# KiCad board leafony-ap03-stm32.kicad_pcb (continued)
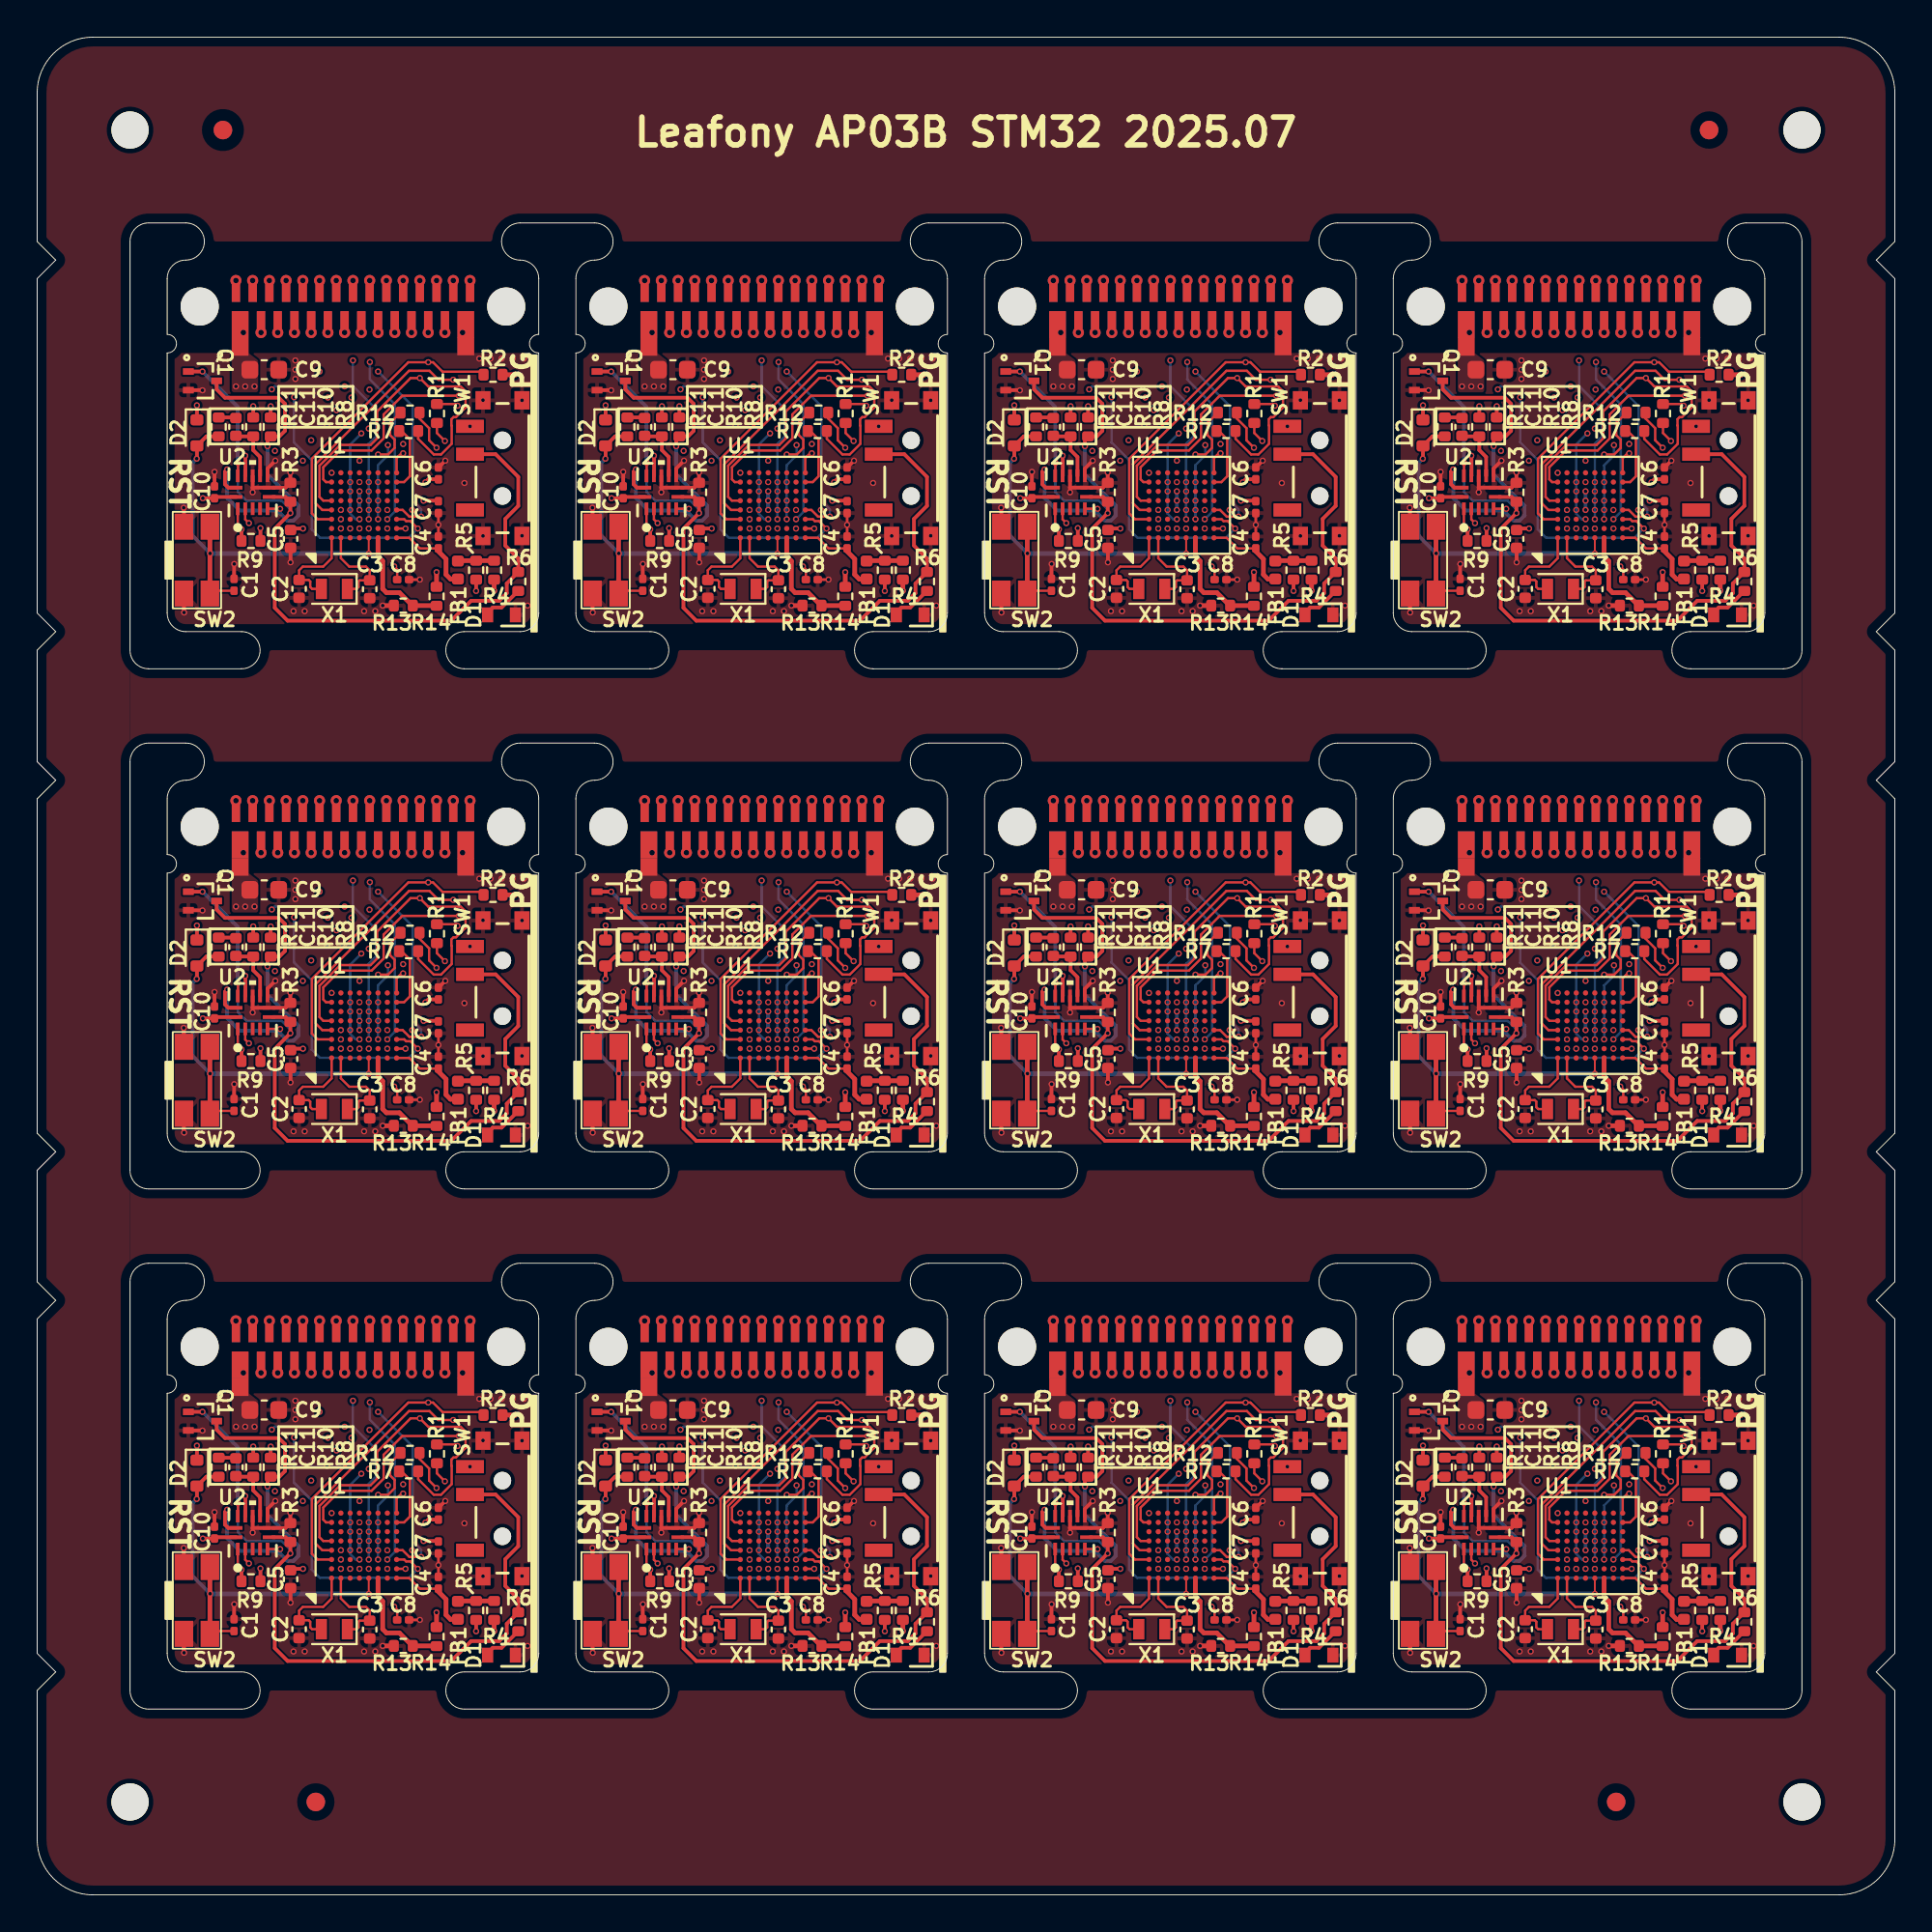
[diagram p0: board, top side]
## Via types
v1: diameter 0.5, hole 0.3, Top to Bottom, 348 vias
v2: diameter 0.33, hole 0.2, Top to Bottom, 1296 vias
v3: diameter 0.33, hole 0.2, Top to In1.Cu, 84 vias
v4: diameter 0.33, hole 0.2, Top to In2.Cu, 24 vias
v5: diameter 0.33, hole 0.2, Top to In3.Cu, 36 vias

## Routing (per net, layer and track width the routed paths; a pad name or vN(x,y) marks a point on that pad's centre or on a via; arc(x,y) is an arc through that point)
+3V3: length 258.5
  Top w0.127: v2(63.22,71.51) 63.38,71.35 C8#10.1 ; v2(41.22,71.51) 41.38,71.35 C8#2.1 ; C8#7.1 41.38,43.35 v2(41.22,43.51) ; C8#8.1 63.38,43.35 v2(63.22,43.51) ; R1#6.1 88.54,80.25 v2(88.63,80.16) ; R1.1 66.54,24.25 v2(66.63,24.16) ; v2(22.63,52.16) 22.54,52.25 R1#12.1 ; C8#9.1 85.38,15.35 v2(85.22,15.51) ; v2(44.63,80.16) 44.54,80.25 R1#2.1 ; C8#12.1 41.38,15.35 v2(41.22,15.51) ; R1#5.1 44.54,24.25 v2(44.63,24.16) ; C8#4.1 85.38,71.35 v2(85.22,71.51) ; v2(66.63,52.16) 66.54,52.25 R1#10.1 ; v2(44.63,52.16) 44.54,52.25 R1#8.1 ; R1#11.1 22.54,24.25 v2(22.63,24.16) ; C8#11.1 19.38,43.35 v2(19.22,43.51) ; R1#4.1 22.54,80.25 v2(22.63,80.16) ; R1#9.1 88.54,52.25 v2(88.63,52.16) ; v2(88.63,24.16) 88.54,24.25 R1#3.1 ; C8#3.1 19.38,15.35 v2(19.22,15.51) ; C8.1 63.38,15.35 v2(63.22,15.51) ; v2(19.22,71.51) 19.38,71.35 C8#5.1 ; v2(85.22,43.51) 85.38,43.35 C8#6.1 ; v2(66.63,80.16) 66.54,80.25 R1#7.1
  Top w0.2: v2(86.9,20.04) 87.06,20.2 C6.1 ; R10#2.1 v2(77.63,52.13) ; U2#6.14 31.62,47.25 C10#9.1 v2(30.92,47.18) ; v2(64.8,47.05) 65.47,47.05 ; 89.12,51.23 v2(89.3,51.05) ; v2(64.9,76.04) 65.06,76.2 C6#5.1 ; U2#10.14 75.62,75.25 C10#6.1 v2(74.92,75.18) ; D2#2.1 v2(8.6,80.18) ; v2(30.92,19.18) C10#11.1 31.62,19.25 U2#7.14 ; v2(20.8,19.05) 21.47,19.05 ; v2(58.31,73.55) 57.72,73.55 C5#11.1 ; U2#2.14 75.62,47.25 C10#3.1 v2(74.92,47.18) ; v2(20.9,76.04) 21.06,76.2 C6#4.1 ; v2(86.8,75.05) 87.47,75.05 ; 67.12,23.23 v2(67.3,23.05) ; v2(80.31,17.55) 79.72,17.55 C5.1 ; R10#6.1 v2(11.63,80.13) ; v2(64.9,48.04) 65.06,48.2 C6#9.1 ; v2(14.31,45.55) 13.72,45.55 C5#6.1 ; U2#4.14 53.62,75.25 C10#4.1 v2(52.92,75.18) ; v2(42.8,75.05) 43.47,75.05 ; D2#11.1 v2(52.6,52.18) ; R8#2.1 v2(12.57,80.13) ; v2(52.92,19.18) C10.1 53.62,19.25 U2.14 ; R8#5.1 v2(12.57,52.13) ; R8#7.1 v2(78.57,24.13) ; v2(36.31,45.55) 35.72,45.55 C5#7.1 ; v2(64.8,75.05) 65.47,75.05 ; 23.12,79.23 v2(23.3,79.05) ; v2(8.92,19.18) C10#7.1 9.62,19.25 U2#9.14 ; 23.12,51.23 v2(23.3,51.05) ; C6#11.1 21.06,20.2 v2(20.9,20.04) ; 89.12,79.23 v2(89.3,79.05) ; R8.1 v2(34.57,52.13) ; R10#7.1 v2(55.63,80.13) ; R8#6.1 v2(34.57,24.13) ; C5#3.1 35.72,17.55 v2(36.31,17.55) ; R8#10.1 v2(34.57,80.13) ; 45.12,79.23 v2(45.3,79.05) ; D2#3.1 v2(30.6,52.18) ; R8#4.1 v2(78.57,52.13) ; R10#8.1 v2(77.63,24.13) ; v2(8.92,47.18) C10#2.1 9.62,47.25 U2#12.14 ; R10#4.1 v2(77.63,80.13) ; R8#3.1 v2(78.57,80.13) ; v2(36.31,73.55) 35.72,73.55 C5#5.1 ; D2#6.1 v2(52.6,24.18) ; v2(42.9,76.04) 43.06,76.2 C6#8.1 ; C5#12.1 57.72,45.55 v2(58.31,45.55) ; R10.1 v2(11.63,52.13) ; v2(14.31,73.55) 13.72,73.55 C5#8.1 ; D2#4.1 v2(74.6,52.18) ; v2(30.92,75.18) C10#5.1 31.62,75.25 U2#3.14 ; v2(74.92,19.18) C10#12.1 75.62,19.25 U2#8.14 ; R8#9.1 v2(56.57,24.13) ; R10#3.1 v2(33.63,80.13) ; v2(64.9,20.04) 65.06,20.2 C6#6.1 ; U2#5.14 53.62,47.25 C10#8.1 v2(52.92,47.18) ; v2(80.31,73.55) 79.72,73.55 C5#9.1 ; v2(86.9,76.04) 87.06,76.2 C6#10.1 ; R10#9.1 v2(55.63,24.13) ; D2#5.1 v2(74.6,80.18) ; v2(86.8,19.05) 87.47,19.05 ; 23.12,23.23 v2(23.3,23.05) ; R10#12.1 v2(11.63,24.13) ; C6#3.1 21.06,48.2 v2(20.9,48.04) ; D2.1 v2(30.6,80.18) ; R10#10.1 v2(55.63,52.13) ; D2#8.1 v2(30.6,24.18) ; v2(86.9,48.04) 87.06,48.2 C6#2.1 ; v2(80.31,45.55) 79.72,45.55 C5#10.1 ; v2(42.8,19.05) 43.47,19.05 ; R8#8.1 v2(56.57,52.13) ; R8#12.1 v2(12.57,24.13) ; v2(8.92,75.18) C10#10.1 9.62,75.25 U2#11.14 ; 67.12,79.23 v2(67.3,79.05) ; v2(86.8,47.05) 87.47,47.05 ; v2(64.8,19.05) 65.47,19.05 ; D2#9.1 v2(8.6,52.18) ; 89.12,23.23 v2(89.3,23.05) ; v2(20.8,75.05) 21.47,75.05 ; v2(58.31,17.55) 57.72,17.55 C5#4.1 ; C5#2.1 13.72,17.55 v2(14.31,17.55) ; D2#12.1 v2(52.6,80.18) ; 67.12,51.23 v2(67.3,51.05) ; v2(42.9,20.04) 43.06,20.2 C6#12.1 ; R10#5.1 v2(33.63,52.13) ; v2(42.9,48.04) 43.06,48.2 C6#7.1 ; D2#10.1 v2(74.6,24.18) ; v2(42.8,47.05) 43.47,47.05 ; D2#7.1 v2(8.6,24.18) ; R8#11.1 v2(56.57,80.13) ; v2(20.8,47.05) 21.47,47.05 ; 45.12,51.23 v2(45.3,51.05) ; 45.12,23.23 v2(45.3,23.05) ; R10#11.1 v2(33.63,24.13)
  Top w0.254: R4#7.2 v2(68.6,14.2) ; R2#6.1 v2(47.7,81.83) ; R2#8.1 v2(69.7,53.83) ; R4#8.2 v2(90.6,14.2) ; R4#10.2 v2(68.6,70.2) ; R4.2 v2(24.6,70.2) ; R4#2.2 v2(24.6,14.2) ; R4#3.2 v2(90.6,70.2) ; R4#6.2 v2(46.6,42.2) ; R2#5.1 v2(25.7,53.83) ; R4#11.2 v2(24.6,42.2) ; R2#11.1 v2(69.7,25.83) ; R2#4.1 v2(25.7,25.83) ; R4#4.2 v2(46.6,70.2) ; R4#5.2 v2(68.6,42.2) ; R2#9.1 v2(91.7,81.83) ; R4#9.2 v2(90.6,42.2) ; R2.1 v2(25.7,81.83) ; R2#3.1 v2(91.7,25.83) ; R2#7.1 v2(47.7,25.83) ; R2#2.1 v2(47.7,53.83) ; R2#12.1 v2(69.7,81.83) ; R2#10.1 v2(91.7,53.83) ; R4#12.2 v2(46.6,14.2)
  In3.Cu w0.254: v5(61.85,47.55) 63.72,47.55 64.21,48.04 v2(64.9,48.04) ; v2(86.8,47.05) v5(83.85,47.05) v5(83.85,46.55) ; v2(42.9,48.04) 42.21,48.04 41.72,47.55 v5(39.85,47.55) ; v2(19.22,15.51) 19.22,16.53 18.67,17.08 17.62,17.08 17.35,17.35 v2(17.35,17.55) ; v5(17.85,47.55) 19.72,47.55 20.21,48.04 v2(20.9,48.04) ; v2(38.35,17.55) v2(36.31,17.55) ; v2(64.8,47.05) v5(61.85,47.05) v5(61.85,46.55) ; v5(17.85,75.55) 19.72,75.55 20.21,76.04 v2(20.9,76.04) ; v2(63.22,43.51) 63.22,44.53 62.67,45.08 61.62,45.08 61.35,45.35 v2(61.35,45.55) ; v2(82.35,17.55) v2(80.31,17.55) ; v2(19.22,43.51) 19.22,44.53 18.67,45.08 17.62,45.08 17.35,45.35 v2(17.35,45.55) ; v2(60.35,45.55) v2(58.31,45.55) ; v2(39.35,73.55) 39.35,73.35 39.62,73.08 40.67,73.08 41.22,72.53 v2(41.22,71.51) ; v2(60.35,17.55) v2(58.31,17.55) ; v2(16.35,17.55) v2(14.31,17.55) ; v2(60.35,73.55) v2(58.31,73.55) ; v2(39.35,17.55) 39.35,17.35 39.62,17.08 40.67,17.08 41.22,16.53 v2(41.22,15.51) ; v2(20.8,75.05) v5(17.85,75.05) v5(17.85,74.55) ; v2(20.8,47.05) v5(17.85,47.05) v5(17.85,46.55) ; v5(39.85,19.55) 41.72,19.55 42.21,20.04 v2(42.9,20.04) ; v2(85.22,71.51) 85.22,72.53 84.67,73.08 83.62,73.08 83.35,73.35 v2(83.35,73.55) ; v2(64.9,76.04) 64.21,76.04 63.72,75.55 v5(61.85,75.55) ; v5(61.85,74.55) v5(61.85,75.05) v2(64.8,75.05) ; v5(39.85,75.55) 41.72,75.55 42.21,76.04 v2(42.9,76.04) ; v2(17.35,73.55) 17.35,73.35 17.62,73.08 18.67,73.08 19.22,72.53 v2(19.22,71.51) ; v2(38.35,73.55) v2(36.31,73.55) ; v2(63.22,15.51) 63.22,16.53 62.67,17.08 61.62,17.08 61.35,17.35 v2(61.35,17.55) ; v5(83.85,74.55) v5(83.85,75.05) v2(86.8,75.05) ; v2(86.8,19.05) v5(83.85,19.05) v5(83.85,18.55) ; v2(83.35,17.55) 83.35,17.35 83.62,17.08 84.67,17.08 85.22,16.53 v2(85.22,15.51) ; v2(61.35,73.55) 61.35,73.35 61.62,73.08 62.67,73.08 63.22,72.53 v2(63.22,71.51) ; v2(86.9,48.04) 86.21,48.04 85.72,47.55 v5(83.85,47.55) ; v5(39.85,74.55) v5(39.85,75.05) v2(42.8,75.05) ; v2(42.8,19.05) v5(39.85,19.05) v5(39.85,18.55) ; v5(17.85,19.55) 19.72,19.55 20.21,20.04 v2(20.9,20.04) ; v2(83.35,45.55) 83.35,45.35 83.62,45.08 84.67,45.08 85.22,44.53 v2(85.22,43.51) ; v2(64.8,19.05) v5(61.85,19.05) v5(61.85,18.55) ; v2(38.35,45.55) v2(36.31,45.55) ; v5(61.85,19.55) 63.72,19.55 64.21,20.04 v2(64.9,20.04) ; v2(16.35,73.55) v2(14.31,73.55) ; v2(82.35,45.55) v2(80.31,45.55) ; v2(20.8,19.05) v5(17.85,19.05) v5(17.85,18.55) ; v2(41.22,43.51) 41.22,44.53 40.67,45.08 39.62,45.08 39.35,45.35 v2(39.35,45.55) ; v2(86.9,76.04) 86.21,76.04 85.72,75.55 v5(83.85,75.55) ; v5(83.85,19.55) 85.72,19.55 86.21,20.04 v2(86.9,20.04) ; v2(42.8,47.05) v5(39.85,47.05) v5(39.85,46.55) ; v2(16.35,45.55) v2(14.31,45.55) ; v2(82.35,73.55) v2(80.31,73.55)
  vias: v1(11.1,84.1) v1(11.1,56.1) v1(11.1,28.1) v1(33.1,84.1) v1(33.1,56.1) v1(33.1,28.1) v1(55.1,84.1) v1(55.1,56.1) v1(55.1,28.1) v1(77.1,84.1) v1(77.1,56.1) v1(77.1,28.1) v2(10.7,81.2) v2(10.7,53.2) v2(10.7,25.2) v2(11.2,81.2) v2(11.2,53.2) v2(11.2,25.2) v2(11.7,81.2) v2(11.7,53.2) v2(11.7,25.2) v2(32.7,81.2) v2(32.7,53.2) v2(32.7,25.2) v2(33.2,81.2) v2(33.2,53.2) v2(33.2,25.2) v2(33.7,81.2) v2(33.7,53.2) v2(33.7,25.2) v2(54.7,81.2) v2(54.7,53.2) v2(54.7,25.2) v2(55.2,81.2) v2(55.2,53.2) v2(55.2,25.2) v2(55.7,81.2) v2(55.7,53.2) v2(55.7,25.2) v2(76.7,81.2) v2(76.7,53.2) v2(76.7,25.2) v2(77.2,81.2) v2(77.2,53.2) v2(77.2,25.2) v2(77.7,81.2) v2(77.7,53.2) v2(77.7,25.2)
GND: length 154.4
  Top w0.127: 65.6,46.22 v2(65.6,45.75) 65.6,45.28 ; 43.6,46.22 v2(43.6,45.75) 43.6,45.28 ; C8#11.2 v2(20.6,42.8) ; 87.6,45.28 v2(87.6,45.75) 87.6,46.22 ; 21.6,18.22 v2(21.6,17.75) 21.6,17.28 ; 43.6,18.22 v2(43.6,17.75) 43.6,17.28 ; C8#3.2 v2(20.6,14.8) ; C8#9.2 v2(86.6,14.8) ; 21.6,74.22 v2(21.6,73.75) 21.6,73.28 ; 65.6,18.22 v2(65.6,17.75) 65.6,17.28 ; C8#6.2 v2(86.6,42.8) ; C8#12.2 v2(42.6,14.8) ; C8#8.2 v2(64.6,42.8) ; 87.6,73.28 v2(87.6,73.75) 87.6,74.22 ; C8.2 v2(64.6,14.8) ; 87.6,18.22 v2(87.6,17.75) 87.6,17.28 ; C8#4.2 v2(86.6,70.8) ; 21.6,46.22 v2(21.6,45.75) 21.6,45.28 ; 65.6,73.28 v2(65.6,73.75) 65.6,74.22 ; C8#10.2 v2(64.6,70.8) ; C8#2.2 v2(42.6,70.8) ; 43.6,74.22 v2(43.6,73.75) 43.6,73.28 ; C8#7.2 v2(42.6,42.8) ; C8#5.2 v2(20.6,70.8)
  Top w0.2: SW2#4.2 73.9,18.66 v2(73.89,18.67) ; C6#3.2 21.61,48.84 v2(21.97,49.2) ; 54.6,71 54.6,71.63 v2(54.61,71.64) ; SW2#12.2 29.9,18.66 v2(29.89,18.67) ; C6#5.2 65.61,76.84 v2(65.97,77.2) ; v2(87.97,21.2) 87.61,20.84 C6.2 ; v2(57.63,48.57) R3#5.2 57.37,47.75 56.68,47.75 ; U2#11.7 11.6,75.75 ; 11.6,75.75 v2(11.6,75.5) ; 11.6,75.75 U2#11.10 ; 55.6,19.75 v2(55.6,19.5) ; 55.6,19.75 U2.10 ; 55.6,19.75 U2.7 ; v2(13.63,76.57) R3#4.2 13.37,75.75 12.68,75.75 ; SW2#4.3 73.9,13.04 v2(73.91,13.03) ; 33.6,19.75 v2(33.6,19.5) ; 33.6,19.75 U2#7.10 ; 33.6,19.75 U2#7.7 ; U2#6.7 33.6,47.75 ; 33.6,47.75 v2(33.6,47.5) ; 33.6,47.75 U2#6.10 ; U2#4.7 55.6,75.75 ; 55.6,75.75 v2(55.6,75.5) ; 55.6,75.75 U2#4.10 ; 77.6,47.75 v2(77.6,47.5) ; 77.6,47.75 U2#2.7 ; 77.6,47.75 U2#2.10 ; v2(56.82,21.2) 56.4,20.78 U2.8 ; C5#6.2 v2(13.64,43.73) ; 9.55,19.98 v2(9.55,20.6) ; v2(7.91,69.03) 7.9,69.04 SW2#10.3 ; v2(52.9,24.99) 52.89,25 Q1#5.2 ; v2(10.61,43.64) 10.6,43.63 10.6,43 ; v2(10.61,15.64) 10.6,15.63 10.6,15 ; U2#9.7 11.6,19.75 ; 11.6,19.75 v2(11.6,19.5) ; 11.6,19.75 U2#9.10 ; v2(51.91,69.03) 51.9,69.04 SW2#8.3 ; 31.55,75.98 v2(31.55,76.6) ; SW2#7.3 7.9,13.04 v2(7.91,13.03) ; U2#11.8 12.4,76.78 v2(12.82,77.2) ; v2(51.91,41.03) 51.9,41.04 SW2#5.3 ; v2(30.9,52.99) 30.89,53 Q1#10.2 ; 76.6,71 76.6,71.63 v2(76.61,71.64) ; v2(79.63,20.57) R3#12.2 79.37,19.75 78.68,19.75 ; v2(74.9,80.99) 74.89,81 Q1#6.2 ; 32.6,43 32.6,43.63 v2(32.61,43.64) ; v2(73.91,41.03) 73.9,41.04 SW2#9.3 ; SW2#3.3 73.9,69.04 v2(73.91,69.03) ; C6#10.2 87.61,76.84 v2(87.97,77.2) ; U2#12.8 12.4,48.78 v2(12.82,49.2) ; 9.55,47.98 v2(9.55,48.6) ; U2#8.10 77.6,19.75 ; 77.6,19.75 U2#8.7 ; 77.6,19.75 v2(77.6,19.5) ; v2(12.82,21.2) 12.4,20.78 U2#9.8 ; v2(30.9,80.99) 30.89,81 Q1#9.2 ; C5#12.2 v2(57.64,43.73) ; U2#10.10 77.6,75.75 ; 77.6,75.75 U2#10.7 ; 77.6,75.75 v2(77.6,75.5) ; 32.6,15 32.6,15.63 v2(32.61,15.64) ; C6#11.2 21.61,20.84 v2(21.97,21.2) ; C6#4.2 21.61,76.84 v2(21.97,77.2) ; 10.6,71 10.6,71.63 v2(10.61,71.64) ; U2#3.10 33.6,75.75 ; 33.6,75.75 U2#3.7 ; 33.6,75.75 v2(33.6,75.5) ; 76.6,15 76.6,15.63 v2(76.61,15.64) ; v2(29.91,41.03) 29.9,41.04 SW2#2.3 ; Q1#12.2 74.89,53 v2(74.9,52.99) ; v2(52.9,52.99) 52.89,53 Q1.2 ; 32.6,71 32.6,71.63 v2(32.61,71.64) ; SW2#6.3 51.9,13.04 v2(51.91,13.03) ; 31.55,19.98 v2(31.55,20.6) ; 9.55,75.98 v2(9.55,76.6) ; 54.6,15 54.6,15.63 v2(54.61,15.64) ; v2(7.89,18.67) 7.9,18.66 SW2#7.2 ; v2(43.97,49.2) 43.61,48.84 C6#7.2 ; v2(57.63,20.57) R3#8.2 57.37,19.75 56.68,19.75 ; SW2#8.2 51.9,74.66 v2(51.89,74.67) ; 75.55,19.98 v2(75.55,20.6) ; v2(76.61,43.64) 76.6,43.63 76.6,43 ; SW2#6.2 51.9,18.66 v2(51.89,18.67) ; C6#9.2 65.61,48.84 v2(65.97,49.2) ; v2(35.63,48.57) R3#6.2 35.37,47.75 34.68,47.75 ; v2(29.89,74.67) 29.9,74.66 SW2.2 ; 53.55,19.98 v2(53.55,20.6) ; U2#2.8 78.4,48.78 v2(78.82,49.2) ; Q1#3.2 8.89,25 v2(8.9,24.99) ; v2(34.82,21.2) 34.4,20.78 U2#7.8 ; SW2#9.2 73.9,46.66 v2(73.89,46.67) ; SW2.3 29.9,69.04 v2(29.91,69.03) ; v2(34.82,77.2) 34.4,76.78 U2#3.8 ; Q1#11.2 74.89,25 v2(74.9,24.99) ; v2(56.82,77.2) 56.4,76.78 U2#4.8 ; v2(7.89,46.67) 7.9,46.66 SW2#11.2 ; 11.6,47.75 v2(11.6,47.5) ; 11.6,47.75 U2#12.7 ; 11.6,47.75 U2#12.10 ; SW2#10.2 7.9,74.66 v2(7.89,74.67) ; v2(54.61,43.64) 54.6,43.63 54.6,43 ; 56.68,75.75 57.37,75.75 R3.2 v2(57.63,76.57) ; SW2#11.3 7.9,41.04 v2(7.91,41.03) ; v2(35.63,20.57) R3#7.2 35.37,19.75 34.68,19.75 ; v2(8.9,80.99) 8.89,81 Q1#4.2 ; v2(29.91,13.03) 29.9,13.04 SW2#12.3 ; 78.68,47.75 79.37,47.75 R3#11.2 v2(79.63,48.57) ; C5#8.2 v2(13.64,71.73) ; v2(52.9,80.99) 52.89,81 Q1#2.2 ; 55.6,47.75 v2(55.6,47.5) ; 55.6,47.75 U2#5.7 ; 55.6,47.75 U2#5.10 ; C5#7.2 v2(35.64,43.73) ; SW2#2.2 29.9,46.66 v2(29.89,46.67) ; 31.55,47.98 v2(31.55,48.6) ; Q1#8.2 8.89,53 v2(8.9,52.99) ; 75.55,47.98 v2(75.55,48.6) ; 12.68,47.75 13.37,47.75 R3#3.2 v2(13.63,48.57) ; v2(43.97,21.2) 43.61,20.84 C6#12.2 ; C5#4.2 v2(57.64,15.73) ; v2(13.63,20.57) R3#10.2 13.37,19.75 12.68,19.75 ; v2(34.82,49.2) 34.4,48.78 U2#6.8 ; v2(79.63,76.57) R3#2.2 79.37,75.75 78.68,75.75 ; v2(30.9,24.99) 30.89,25 Q1#7.2 ; v2(78.82,77.2) 78.4,76.78 U2#10.8 ; C5#10.2 v2(79.64,43.73) ; v2(51.89,46.67) 51.9,46.66 SW2#5.2 ; v2(73.89,74.67) 73.9,74.66 SW2#3.2 ; 34.68,75.75 35.37,75.75 R3#9.2 v2(35.63,76.57) ; U2#5.8 56.4,48.78 v2(56.82,49.2) ; C5#9.2 v2(79.64,71.73) ; C6#2.2 87.61,48.84 v2(87.97,49.2) ; C5#5.2 v2(35.64,71.73) ; 53.55,47.98 v2(53.55,48.6) ; C6#8.2 43.61,76.84 v2(43.97,77.2) ; C6#6.2 65.61,20.84 v2(65.97,21.2) ; v2(78.82,21.2) 78.4,20.78 U2#8.8 ; C5#3.2 v2(35.64,15.73) ; C5#11.2 v2(57.64,71.73) ; 53.55,75.98 v2(53.55,76.6) ; C5.2 v2(79.64,15.73) ; 75.55,75.98 v2(75.55,76.6) ; C5#2.2 v2(13.64,15.73)
  Top w0.254: R13#5.1 v2(62.6,13.4) ; R13#3.1 v2(40.6,13.4) ; R13#10.1 v2(40.6,41.4) ; R13#2.1 v2(18.6,69.4) ; R13#8.1 v2(84.6,41.4) ; R13#11.1 v2(62.6,41.4) ; R13#9.1 v2(62.6,69.4) ; R13#6.1 v2(18.6,41.4) ; R13#4.1 v2(84.6,69.4) ; R13#12.1 v2(40.6,69.4) ; R13#7.1 v2(84.6,13.4) ; R13.1 v2(18.6,13.4)
  Bottom w0.2: v2(83.35,74.55) v2(83.35,75.55) ; v2(61.35,18.55) v2(61.35,19.55) ; v2(61.35,46.55) v2(61.35,47.55) ; v2(17.35,18.55) v2(17.35,19.55) ; v2(17.35,46.55) v2(17.35,47.55) ; v2(61.35,74.55) v2(61.35,75.55) ; v2(39.35,18.55) v2(39.35,19.55) ; v2(39.35,74.55) v2(39.35,75.55) ; v2(83.35,18.55) v2(83.35,19.55) ; v2(17.35,74.55) v2(17.35,75.55) ; v2(83.35,46.55) v2(83.35,47.55) ; v2(39.35,46.55) v2(39.35,47.55)
  vias: v1(22.9,84.1) v1(22.9,56.1) v1(22.9,28.1) v1(44.9,84.1) v1(44.9,56.1) v1(44.9,28.1) v1(66.9,84.1) v1(66.9,56.1) v1(66.9,28.1) v1(88.9,84.1) v1(88.9,56.1) v1(88.9,28.1) v2(13.8,69.1) v2(13.8,41.1) v2(13.8,13.1) v2(13.9,82.6) v2(13.9,82.1) v2(13.9,81.6) v2(13.9,54.6) v2(13.9,54.1) v2(13.9,53.6) v2(13.9,26.6) v2(13.9,26.1) v2(13.9,25.6) v2(14.4,69.1) v2(14.4,41.1) v2(14.4,13.1) v2(15.6,79.1) v2(15.6,51.1) v2(15.6,23.1) v2(16.85,73.55) v2(16.85,45.55) v2(16.85,17.55) v2(17.35,75.05) v2(17.35,47.05) v2(17.35,19.05) v2(17.6,69.1) v2(17.6,41.1) v2(17.6,13.1) v2(18.2,69.1) v2(18.2,41.1) v2(18.2,13.1) v2(23,76) v2(23,48) v2(23,20) v2(23.8,82.7) v2(23.8,54.7) v2(23.8,26.7) v2(24,80.46) v2(24,73.15) v2(24,52.46) v2(24,45.15) v2(24,24.46) v2(24,17.15) v2(24.4,82.7) v2(24.4,54.7) v2(24.4,26.7) v2(25,82.7) v2(25,54.7) v2(25,26.7) v2(25.6,82.7) v2(25.6,54.7) v2(25.6,26.7) v2(26.1,80.45) v2(26.1,73.16) v2(26.1,52.45) v2(26.1,45.16) v2(26.1,24.45) v2(26.1,17.16) v2(26.2,82.7) v2(26.2,54.7) v2(26.2,26.7) v2(26.4,69.4) v2(26.4,41.4) v2(26.4,13.4) v2(35.8,69.1) v2(35.8,41.1) v2(35.8,13.1) v2(35.9,82.6) v2(35.9,82.1) v2(35.9,81.6) v2(35.9,54.6) v2(35.9,54.1) v2(35.9,53.6) v2(35.9,26.6) v2(35.9,26.1) v2(35.9,25.6) v2(36.4,69.1) v2(36.4,41.1) v2(36.4,13.1) v2(37.6,79.1) v2(37.6,51.1) v2(37.6,23.1) v2(38.85,73.55) v2(38.85,45.55) v2(38.85,17.55) v2(39.35,75.05) v2(39.35,47.05) v2(39.35,19.05) v2(39.6,69.1) v2(39.6,41.1) v2(39.6,13.1) v2(40.2,69.1) v2(40.2,41.1) v2(40.2,13.1) v2(45,76) v2(45,48) v2(45,20) v2(45.8,82.7) v2(45.8,54.7) v2(45.8,26.7) v2(46,80.46) v2(46,73.15) v2(46,52.46) v2(46,45.15) v2(46,24.46) v2(46,17.15) v2(46.4,82.7) v2(46.4,54.7) v2(46.4,26.7) v2(47,82.7) v2(47,54.7) v2(47,26.7) v2(47.6,82.7) v2(47.6,54.7) v2(47.6,26.7) v2(48.1,80.45) v2(48.1,73.16) v2(48.1,52.45) v2(48.1,45.16) v2(48.1,24.45) v2(48.1,17.16) v2(48.2,82.7) v2(48.2,54.7) v2(48.2,26.7) v2(48.4,69.4) v2(48.4,41.4) v2(48.4,13.4) v2(57.8,69.1) v2(57.8,41.1) v2(57.8,13.1) v2(57.9,82.6) v2(57.9,82.1) v2(57.9,81.6) v2(57.9,54.6) v2(57.9,54.1) v2(57.9,53.6) v2(57.9,26.6) v2(57.9,26.1) v2(57.9,25.6) v2(58.4,69.1) v2(58.4,41.1) v2(58.4,13.1) v2(59.6,79.1) v2(59.6,51.1) v2(59.6,23.1) v2(60.85,73.55) v2(60.85,45.55) v2(60.85,17.55) v2(61.35,75.05) v2(61.35,47.05) v2(61.35,19.05) v2(61.6,69.1) v2(61.6,41.1) v2(61.6,13.1) v2(62.2,69.1) v2(62.2,41.1) v2(62.2,13.1) v2(67,76) v2(67,48) v2(67,20) v2(67.8,82.7) v2(67.8,54.7) v2(67.8,26.7) v2(68,80.46) v2(68,73.15) v2(68,52.46) v2(68,45.15) v2(68,24.46) v2(68,17.15) v2(68.4,82.7) v2(68.4,54.7) v2(68.4,26.7) v2(69,82.7) v2(69,54.7) v2(69,26.7) v2(69.6,82.7) v2(69.6,54.7) v2(69.6,26.7) v2(70.1,80.45) v2(70.1,73.16) v2(70.1,52.45) v2(70.1,45.16) v2(70.1,24.45) v2(70.1,17.16) v2(70.2,82.7) v2(70.2,54.7) v2(70.2,26.7) v2(70.4,69.4) v2(70.4,41.4) v2(70.4,13.4) v2(79.8,69.1) v2(79.8,41.1) v2(79.8,13.1) v2(79.9,82.6) v2(79.9,82.1) v2(79.9,81.6) v2(79.9,54.6) v2(79.9,54.1) v2(79.9,53.6) v2(79.9,26.6) v2(79.9,26.1) v2(79.9,25.6) v2(80.4,69.1) v2(80.4,41.1) v2(80.4,13.1) v2(81.6,79.1) v2(81.6,51.1) v2(81.6,23.1) v2(82.85,73.55) v2(82.85,45.55) v2(82.85,17.55) v2(83.35,75.05) v2(83.35,47.05) v2(83.35,19.05) v2(83.6,69.1) v2(83.6,41.1) v2(83.6,13.1) v2(84.2,69.1) v2(84.2,41.1) v2(84.2,13.1) v2(89,76) v2(89,48) v2(89,20) v2(89.8,82.7) v2(89.8,54.7) v2(89.8,26.7) v2(90,80.46) v2(90,73.15) v2(90,52.46) v2(90,45.15) v2(90,24.46) v2(90,17.15) v2(90.4,82.7) v2(90.4,54.7) v2(90.4,26.7) v2(91,82.7) v2(91,54.7) v2(91,26.7) v2(91.6,82.7) v2(91.6,54.7) v2(91.6,26.7) v2(92.1,80.45) v2(92.1,73.16) v2(92.1,52.45) v2(92.1,45.16) v2(92.1,24.45) v2(92.1,17.16) v2(92.2,82.7) v2(92.2,54.7) v2(92.2,26.7) v2(92.4,69.4) v2(92.4,41.4) v2(92.4,13.4)
A0: length 261.4
  Top w0.127: U1#12.H3 85.76,74.05 85.86,73.95 86.09,73.95 v2(86.49,73.55) ; v2(20.49,45.55) 20.09,45.95 19.86,45.95 19.76,46.05 U1#8.H3 ; U1#5.H3 63.76,74.05 63.86,73.95 64.09,73.95 v2(64.49,73.55) ; v2(20.49,17.55) 20.09,17.95 19.86,17.95 19.76,18.05 U1#11.H3 ; v2(64.49,17.55) 64.09,17.95 63.86,17.95 63.76,18.05 U1#3.H3 ; U1#9.H3 41.76,46.05 41.86,45.95 42.09,45.95 v2(42.49,45.55) ; v2(64.49,45.55) 64.09,45.95 63.86,45.95 63.76,46.05 U1#6.H3 ; U1.H3 41.76,18.05 41.86,17.95 42.09,17.95 v2(42.49,17.55) ; U1#7.H3 19.76,74.05 19.86,73.95 20.09,73.95 v2(20.49,73.55) ; U1#2.H3 85.76,46.05 85.86,45.95 86.09,45.95 v2(86.49,45.55) ; v2(42.49,73.55) 42.09,73.95 41.86,73.95 41.76,74.05 U1#4.H3 ; U1#10.H3 85.76,18.05 85.86,17.95 86.09,17.95 v2(86.49,17.55)
  In1.Cu w0.127: v2(13.83,80.62) 13.36,81.09 13.36,86.04 v1(12.5,86.9) ; v2(57.83,52.62) 57.36,53.09 57.36,58.04 v1(56.5,58.9) ; v1(56.5,86.9) 57.36,86.04 57.36,81.09 v2(57.83,80.62) ; v2(13.83,52.62) 13.36,53.09 13.36,58.04 v1(12.5,58.9) ; v2(57.83,24.62) 57.36,25.09 57.36,30.04 v1(56.5,30.9) ; v2(13.83,24.62) 13.36,25.09 13.36,30.04 v1(12.5,30.9) ; v1(78.5,30.9) 79.36,30.04 79.36,25.09 v2(79.83,24.62) ; v2(35.83,80.62) 35.36,81.09 35.36,86.04 v1(34.5,86.9) ; v2(35.83,52.62) 35.36,53.09 35.36,58.04 v1(34.5,58.9) ; v2(79.83,52.62) 79.36,53.09 79.36,58.04 v1(78.5,58.9) ; v2(35.83,24.62) 35.36,25.09 35.36,30.04 v1(34.5,30.9) ; v2(79.83,80.62) 79.36,81.09 79.36,86.04 v1(78.5,86.9)
  Bottom w0.127: v2(79.83,24.62) 79.83,22.18 80.78,21.23 80.78,17.5 81.22,17.06 86,17.06 v2(86.49,17.55) ; v2(13.83,24.62) 13.83,22.18 14.78,21.23 14.78,17.5 15.22,17.06 20,17.06 v2(20.49,17.55) ; v2(79.83,52.62) 79.83,50.18 80.78,49.23 80.78,45.5 81.22,45.06 86,45.06 v2(86.49,45.55) ; v2(42.49,45.55) 42,45.06 37.22,45.06 36.78,45.5 36.78,49.23 35.83,50.18 v2(35.83,52.62) ; v2(86.49,73.55) 86,73.06 81.22,73.06 80.78,73.5 80.78,77.23 79.83,78.18 v2(79.83,80.62) ; v2(35.83,80.62) 35.83,78.18 36.78,77.23 36.78,73.5 37.22,73.06 42,73.06 v2(42.49,73.55) ; v2(64.49,17.55) 64,17.06 59.22,17.06 58.78,17.5 58.78,21.23 57.83,22.18 v2(57.83,24.62) ; v2(64.49,45.55) 64,45.06 59.22,45.06 58.78,45.5 58.78,49.23 57.83,50.18 v2(57.83,52.62) ; v2(64.49,73.55) 64,73.06 59.22,73.06 58.78,73.5 58.78,77.23 57.83,78.18 v2(57.83,80.62) ; v2(20.49,45.55) 20,45.06 15.22,45.06 14.78,45.5 14.78,49.23 13.83,50.18 v2(13.83,52.62) ; v2(13.83,80.62) 13.83,78.18 14.78,77.23 14.78,73.5 15.22,73.06 20,73.06 v2(20.49,73.55) ; v2(42.49,17.55) 42,17.06 37.22,17.06 36.78,17.5 36.78,21.23 35.83,22.18 v2(35.83,24.62)
A1: length 231.5
  In2.Cu w0.127: v2(18.85,45.55) 18.65,45.55 17.88,44.78 15.89,44.78 13.27,47.4 13.27,51.37 14.31,52.41 14.31,54.7 13.4,55.61 v1(13.4,58.9) ; v2(84.85,45.55) 84.65,45.55 83.88,44.78 81.89,44.78 79.27,47.4 79.27,51.37 80.31,52.41 80.31,54.7 79.4,55.61 v1(79.4,58.9) ; v2(84.85,73.55) 84.65,73.55 83.88,72.78 81.89,72.78 79.27,75.4 79.27,79.37 80.31,80.41 80.31,82.7 79.4,83.61 v1(79.4,86.9) ; v1(35.4,30.9) 35.4,27.61 36.31,26.7 36.31,24.41 35.27,23.37 35.27,19.4 37.89,16.78 39.88,16.78 40.65,17.55 v2(40.85,17.55) ; v1(57.4,58.9) 57.4,55.61 58.31,54.7 58.31,52.41 57.27,51.37 57.27,47.4 59.89,44.78 61.88,44.78 62.65,45.55 v2(62.85,45.55) ; v1(57.4,86.9) 57.4,83.61 58.31,82.7 58.31,80.41 57.27,79.37 57.27,75.4 59.89,72.78 61.88,72.78 62.65,73.55 v2(62.85,73.55) ; v2(18.85,73.55) 18.65,73.55 17.88,72.78 15.89,72.78 13.27,75.4 13.27,79.37 14.31,80.41 14.31,82.7 13.4,83.61 v1(13.4,86.9) ; v2(40.85,73.55) 40.65,73.55 39.88,72.78 37.89,72.78 35.27,75.4 35.27,79.37 36.31,80.41 36.31,82.7 35.4,83.61 v1(35.4,86.9) ; v1(35.4,58.9) 35.4,55.61 36.31,54.7 36.31,52.41 35.27,51.37 35.27,47.4 37.89,44.78 39.88,44.78 40.65,45.55 v2(40.85,45.55) ; v1(57.4,30.9) 57.4,27.61 58.31,26.7 58.31,24.41 57.27,23.37 57.27,19.4 59.89,16.78 61.88,16.78 62.65,17.55 v2(62.85,17.55) ; v1(13.4,30.9) 13.4,27.61 14.31,26.7 14.31,24.41 13.27,23.37 13.27,19.4 15.89,16.78 17.88,16.78 18.65,17.55 v2(18.85,17.55) ; v2(84.85,17.55) 84.65,17.55 83.88,16.78 81.89,16.78 79.27,19.4 79.27,23.37 80.31,24.41 80.31,26.7 79.4,27.61 v1(79.4,30.9)
A2: length 264.4
  Top w0.127: U1#4.H2 v2(41.83,73.55) ; U1#9.H2 v2(41.83,45.55) ; U1#7.H2 v2(19.83,73.55) ; U1#11.H2 v2(19.83,17.55) ; U1#6.H2 v2(63.83,45.55) ; U1#8.H2 v2(19.83,45.55) ; U1#12.H2 v2(85.83,73.55) ; U1#2.H2 v2(85.83,45.55) ; U1#10.H2 v2(85.83,17.55) ; U1#5.H2 v2(63.83,73.55) ; U1.H2 v2(41.83,17.55) ; U1#3.H2 v2(63.83,17.55)
  In2.Cu w0.127: v1(14.3,86.9) 14.3,83.43 15.53,82.2 17,82.2 17.81,81.39 19.33,81.39 22.54,78.18 22.54,73.73 21.84,73.03 20.35,73.03 v2(19.83,73.55) ; v1(80.3,86.9) 80.3,83.43 81.53,82.2 83,82.2 83.81,81.39 85.33,81.39 88.54,78.18 88.54,73.73 87.84,73.03 86.35,73.03 v2(85.83,73.55) ; v1(58.3,30.9) 58.3,27.43 59.53,26.2 61,26.2 61.81,25.39 63.33,25.39 66.54,22.18 66.54,17.73 65.84,17.03 64.35,17.03 v2(63.83,17.55) ; v1(14.3,30.9) 14.3,27.43 15.53,26.2 17,26.2 17.81,25.39 19.33,25.39 22.54,22.18 22.54,17.73 21.84,17.03 20.35,17.03 v2(19.83,17.55) ; v2(63.83,73.55) 64.35,73.03 65.84,73.03 66.54,73.73 66.54,78.18 63.33,81.39 61.81,81.39 61,82.2 59.53,82.2 58.3,83.43 v1(58.3,86.9) ; v1(14.3,58.9) 14.3,55.43 15.53,54.2 17,54.2 17.81,53.39 19.33,53.39 22.54,50.18 22.54,45.73 21.84,45.03 20.35,45.03 v2(19.83,45.55) ; v1(80.3,58.9) 80.3,55.43 81.53,54.2 83,54.2 83.81,53.39 85.33,53.39 88.54,50.18 88.54,45.73 87.84,45.03 86.35,45.03 v2(85.83,45.55) ; v2(41.83,17.55) 42.35,17.03 43.84,17.03 44.54,17.73 44.54,22.18 41.33,25.39 39.81,25.39 39,26.2 37.53,26.2 36.3,27.43 v1(36.3,30.9) ; v1(36.3,58.9) 36.3,55.43 37.53,54.2 39,54.2 39.81,53.39 41.33,53.39 44.54,50.18 44.54,45.73 43.84,45.03 42.35,45.03 v2(41.83,45.55) ; v1(80.3,30.9) 80.3,27.43 81.53,26.2 83,26.2 83.81,25.39 85.33,25.39 88.54,22.18 88.54,17.73 87.84,17.03 86.35,17.03 v2(85.83,17.55) ; v1(36.3,86.9) 36.3,83.43 37.53,82.2 39,82.2 39.81,81.39 41.33,81.39 44.54,78.18 44.54,73.73 43.84,73.03 42.35,73.03 v2(41.83,73.55) ; v2(63.83,45.55) 64.35,45.03 65.84,45.03 66.54,45.73 66.54,50.18 63.33,53.39 61.81,53.39 61,54.2 59.53,54.2 58.3,55.43 v1(58.3,58.9)
A3: length 343.9
  Top w0.254: R14#8.2 v2(87.5,43.2) ; R14#4.2 v2(43.5,15.2) ; R14#7.2 v2(43.5,43.2) ; R14#3.2 v2(43.5,71.2) ; R14#12.2 v2(21.5,15.2) ; R14#10.2 v2(21.5,71.2) ; R14#2.2 v2(65.5,71.2) ; R14#6.2 v2(87.5,15.2) ; R14#9.2 v2(65.5,15.2) ; R14#5.2 v2(65.5,43.2) ; R14.2 v2(87.5,71.2) ; R14#11.2 v2(21.5,43.2)
  In1.Cu w0.127: v2(39.89,81.03) 40.35,80.57 40.35,78.05 40.85,77.55 40.85,75.55 v3(40.35,75.05) ; v3(18.35,75.05) 18.85,75.55 18.85,77.55 18.35,78.05 18.35,80.57 v2(17.89,81.03) ; v2(37.2,54) v1(37.2,58.9) ; v2(83.89,25.03) 84.35,24.57 84.35,22.05 84.85,21.55 84.85,19.55 v3(84.35,19.05) ; v2(61.89,25.03) 62.35,24.57 62.35,22.05 62.85,21.55 62.85,19.55 v3(62.35,19.05) ; v3(18.35,47.05) 18.85,47.55 18.85,49.55 18.35,50.05 18.35,52.57 v2(17.89,53.03) ; v2(39.89,53.03) 40.35,52.57 40.35,50.05 40.85,49.55 40.85,47.55 v3(40.35,47.05) ; v2(83.89,81.03) 84.35,80.57 84.35,78.05 84.85,77.55 84.85,75.55 v3(84.35,75.05) ; v2(81.2,26) v1(81.2,30.9) ; v3(62.35,75.05) 62.85,75.55 62.85,77.55 62.35,78.05 62.35,80.57 v2(61.89,81.03) ; v2(15.2,82) v1(15.2,86.9) ; v2(37.2,82) v1(37.2,86.9) ; v2(39.89,25.03) 40.35,24.57 40.35,22.05 40.85,21.55 40.85,19.55 v3(40.35,19.05) ; v2(17.89,25.03) 18.35,24.57 18.35,22.05 18.85,21.55 18.85,19.55 v3(18.35,19.05) ; v2(15.2,54) v1(15.2,58.9) ; v2(81.2,82) v1(81.2,86.9) ; v2(59.2,54) v1(59.2,58.9) ; v2(37.2,26) v1(37.2,30.9) ; v2(61.89,53.03) 62.35,52.57 62.35,50.05 62.85,49.55 62.85,47.55 v3(62.35,47.05) ; v2(59.2,82) v1(59.2,86.9) ; v2(83.89,53.03) 84.35,52.57 84.35,50.05 84.85,49.55 84.85,47.55 v3(84.35,47.05) ; v2(81.2,54) v1(81.2,58.9) ; v2(59.2,26) v1(59.2,30.9) ; v2(15.2,26) v1(15.2,30.9)